# Altium PCB nPOC-BB_alpha_main-boardd.PcbDoc (part 2 of 3)
Units mm, origin at the board's own origin, x right, y up, seen from the top; angles counter-clockwise.
Board outline 65.15 x 78.1 mm, 4 copper layers (Top Layer, Layer 2, Layer 3, Bottom Layer), stack 1.527 mm thick; 195 components, 126 nets, 767 pads, 537 vias.
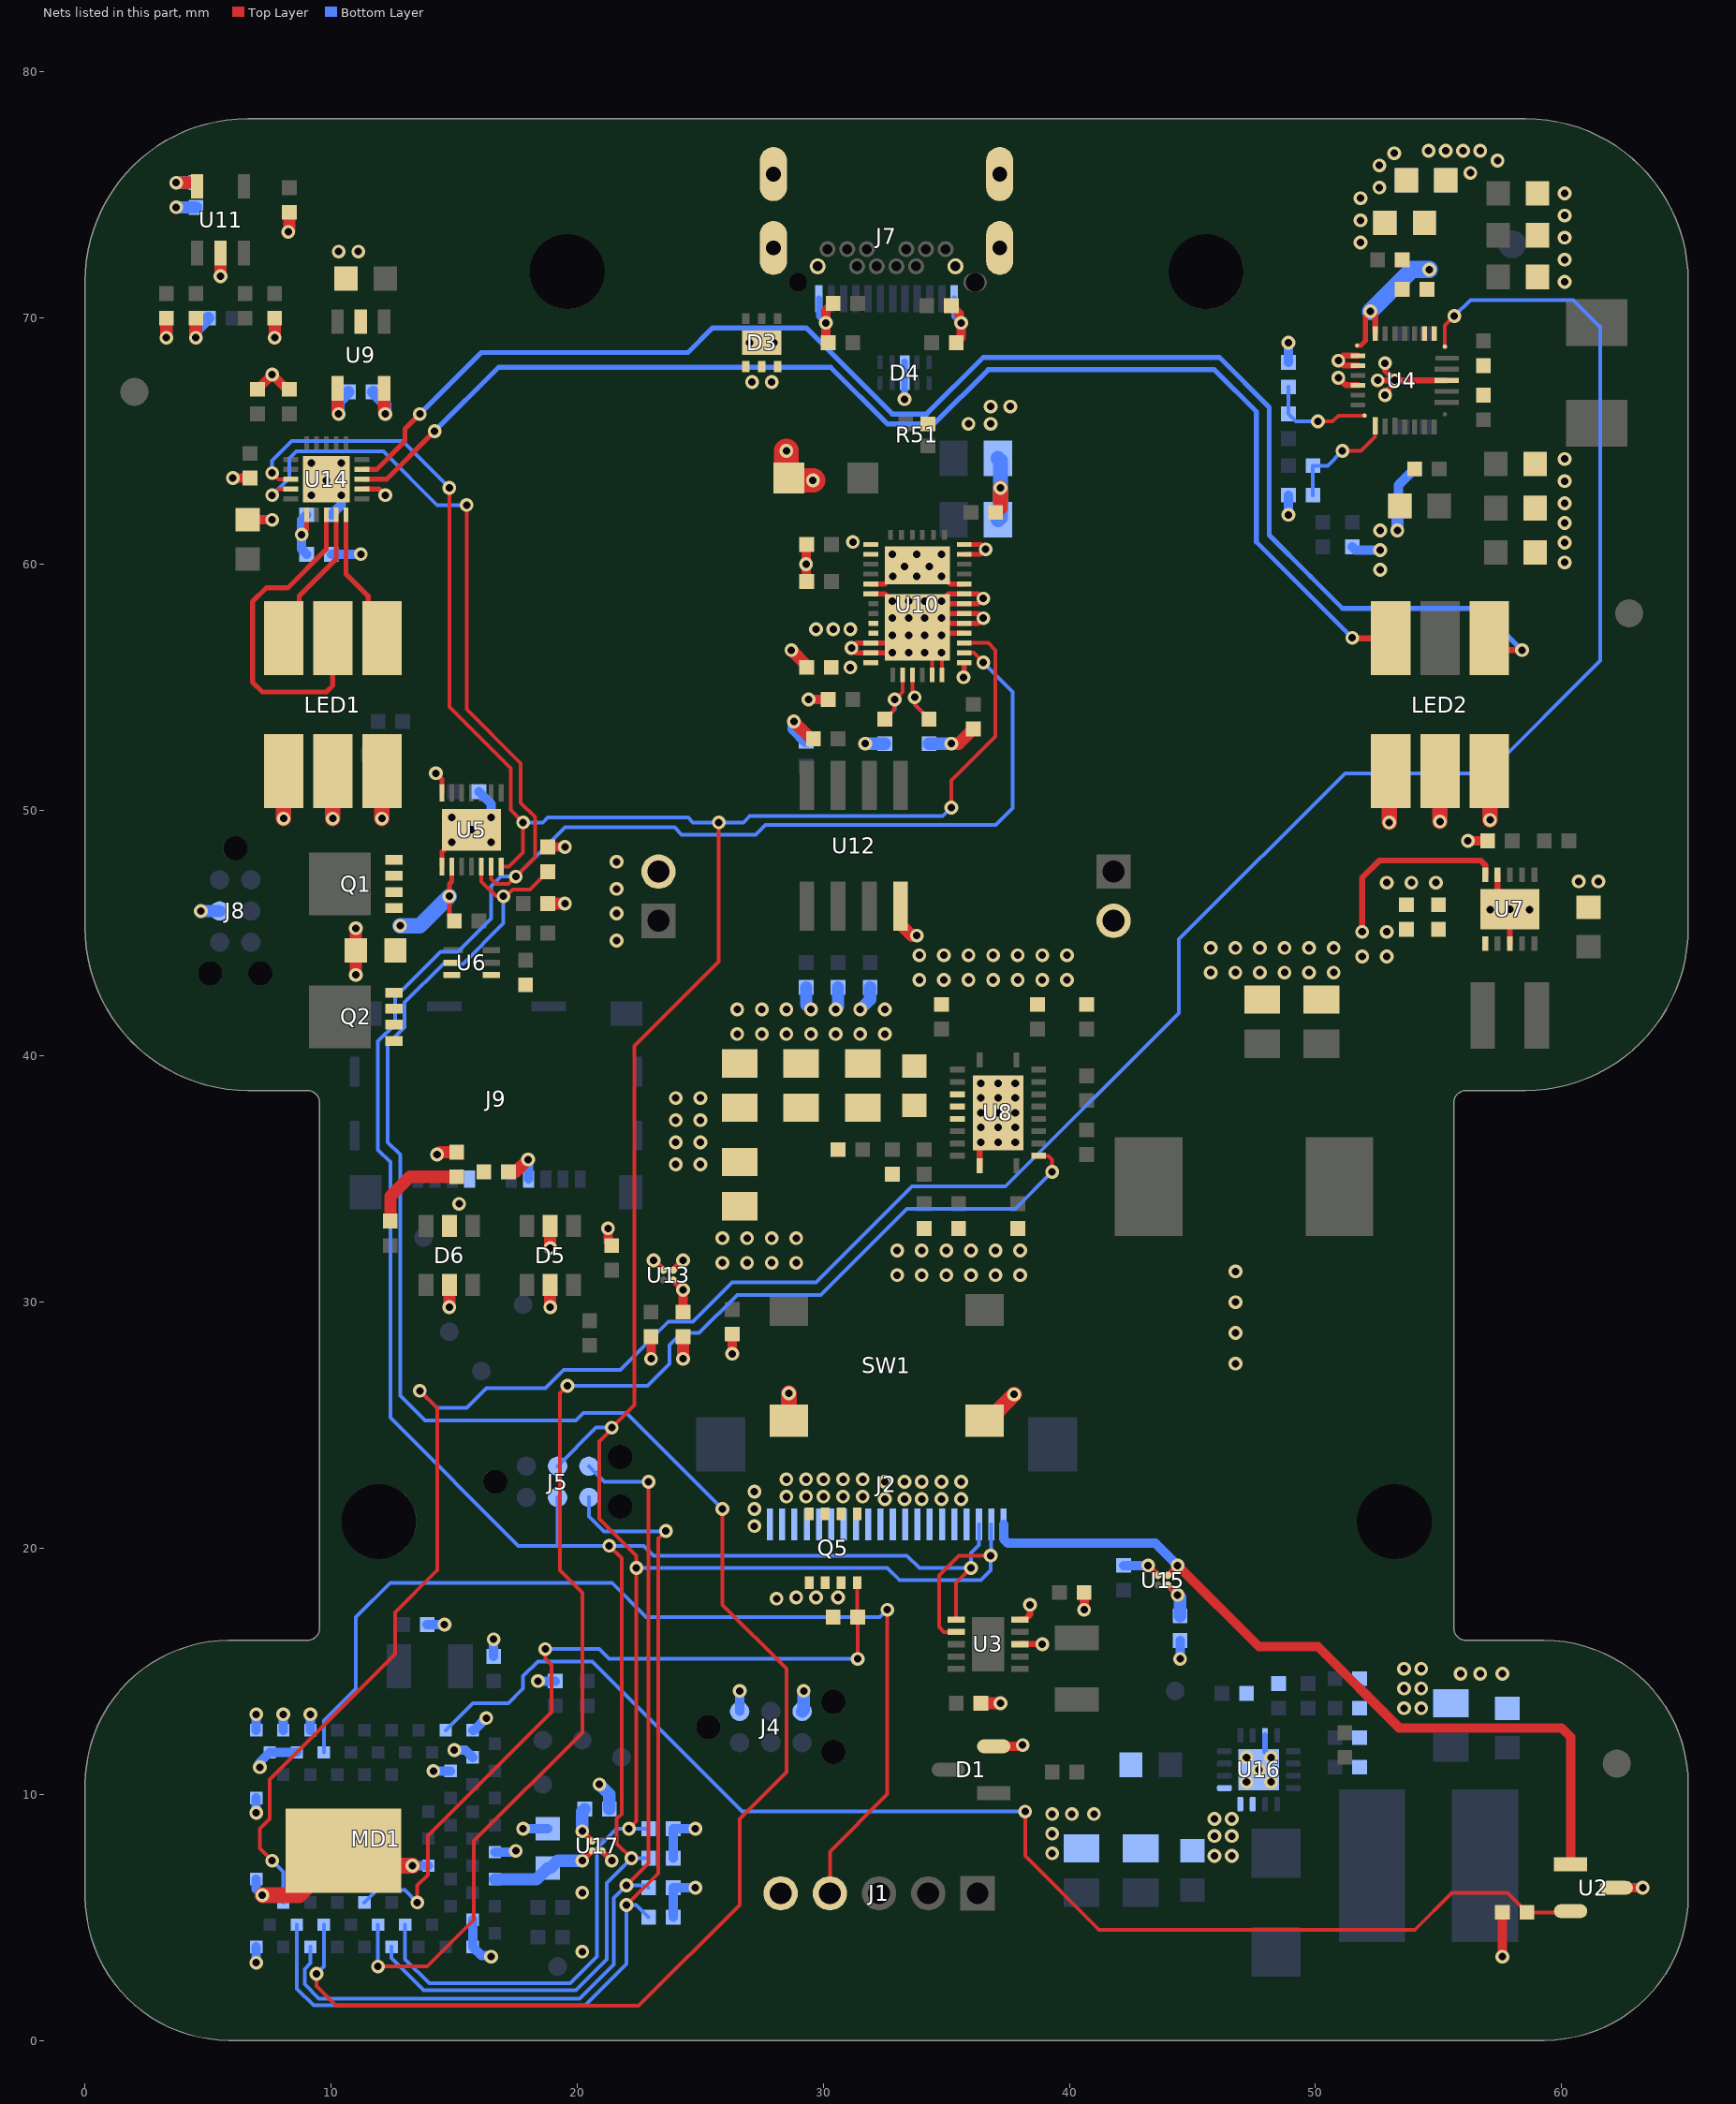
[diagram p4: the nets of this part, all layers, seen from the top]

## Part data (continued)
C64: library part CMP-00317-1, "CAP CER 1UF 16V X5R 0402", Case Code (Imperial)=0402, Case Code (Metric)=1005, Dielectric=X5R, Max Operating Temperature=85°C, Min Operating Temperature=-55°C, Package Quantity=1, Tolerance=10%, Voltage=16V, Capacitance=1uF, Case/Package=0402, Construction=Flat, Contact Plating=Tin, Depth=0.5mm, Height=0.5mm, Install=POP, Length=1mm, Mount="Surface Mount", Packaging="Tape and Reel", Radiation Hardening=No, RoHS Compliant=Yes, Series=CL, Thickness=0.022inch, Voltage Rating=16V, Width=0.02inch
C67: library part CMP-00018-1, "DNP CAP", Case Code (Imperial)=0603, Case Code (Metric)=1608, Dielectric=X7R, Manufacturer=Samsung, Manufacturer Part Number=CL10B104KB8NNWC, Max Operating Temperature=125°C, Min Operating Temperature=-55°C, Package Quantity=1, Supplier Part Number 1=1276-1935-1-ND, Tolerance=10%, Voltage Rating=50V, Case/Package=0603, Category="Ceramic Capacitors", ComponentLink1Description=https://datasheet.ciiva.com/6277/s0717e-6277799.pdf?src-supplier=Digi-Key, ComponentLink1URL=https://datasheet.ciiva.com/6277/s0717e-6277799.pdf?src-supplier=Digi-Key, ComponentLink2Description=https://datasheet.ciiva.com/6277/s0717e-6277800.pdf?src-supplier=Digi-Key, ComponentLink2URL=https://datasheet.ciiva.com/6277/s0717e-6277800.pdf?src-supplier=Digi-Key, ComponentLink3Description=https://datasheet.ciiva.com/6277/s0717e-6277801.pdf?src-supplier=Digi-Key, ComponentLink3URL=https://datasheet.ciiva.com/6277/s0717e-6277801.pdf?src-supplier=Digi-Key, ComponentLink4Description=https://datasheet.ciiva.com/25740/cl10b104kb8nnwc-25740227.pdf?src-supplier=Digi-Key, ComponentLink4URL=https://datasheet.ciiva.com/25740/cl10b104kb8nnwc-25740227.pdf?src-supplier=Digi-Key, Construction=Flat, Contact Plating=Tin, Install=DNP, Length=0.063inch, Mount="Surface Mount", Odic Footprint=C0603, Packaging="Cut Tape", Pricing 1="1=0.10000, 10=0.02000, 50=0.01100, 100=0.00910, 500=0.00646, 1000=0.00508 (USD)", RoHS=Yes, RoHS Compliant=Yes, Series=CL, Stock 1=1643, Supplier 1=Digi-Key, Termination=Wraparound, Thickness=0.035inch, Width=0.031inch
C70 C71: library part CMP-001-00030-1, "Multilayer Ceramic Capacitor, 4.7 uF, 35 V, ± 10%, X7S, 0805 [2012 Metric]", Case Code (Imperial)=0805, Case Code (Metric)=2012, Dielectric=X5R, Max Operating Temperature=85°C, Min Operating Temperature=-55°C, Package Quantity=1, Tolerance=10%, Voltage Rating=50V, Case/Package=0805, Depth=1.25mm, Install=POP, Length=2mm, Material=Ceramic, Mounting Technology="Surface Mount", Packaging="Tape and Reel", Radiation Hardening=No, RoHS Compliant=Yes, Series=CL, Thickness=0.055inch, Voltage Rating (DC)=50V, Width=0.049inch
C72: library part CMP-00293-3, "CAP CER 0.1UF 50V X7R 0603", Case Code (Imperial)=0603, Case Code (Metric)=1608, Dielectric=X7R, Max Operating Temperature=125°C, Min Operating Temperature=-55°C, Package Quantity=1, Tolerance=10%, Voltage Rating=50V, Capacitance=100nF, Case/Package=0603, Construction=Flat, Contact Plating=Tin, Install=POP, Length=0.063inch, Mount="Surface Mount", Packaging="Cut Tape", RoHS Compliant=Yes, Series=CL, Termination=Wraparound, Thickness=0.035inch, Width=0.031inch
C73: library part CMP-00296-2, "CAP CER 1UF 16V X5R 0603", Case Code (Imperial)=0603, Case Code (Metric)=1608, Dielectric=X5R, Max Operating Temperature=85°C, Min Operating Temperature=-55°C, Package Quantity=1, Tolerance=10%, Voltage=16V, Capacitance=1uF, Case/Package=0603, Construction=Flat, Contact Plating=Tin, Depth=0.8mm, Height=0.8mm, Install=POP, Lead Free="Lead Free", Length=1.6mm, Material=Ceramic, Mount="Surface Mount", Packaging="Tape and Reel", Radiation Hardening=No, RoHS Compliant=Yes, Series=CL, Thickness=0.035inch, Voltage Rating=16V, Voltage Rating (DC)=16V, Width=0.031inch
C74: library part CMP-00748-2, "Cap Cer 0.1UF 25V X7R 0805", Capacitance="0.1 uF", Maximum Voltage=25V, Tolerance=10%
C76: library part CMP-00937-1, "Cap Ceramic 300pF 50V C0G 5% SMD 0402 125°C Paper T/R", Case Code (Imperial)=0402, Case Code (Metric)=1005, Dielectric Material=Ceramic, Max Operating Temperature=125°C, Min Operating Temperature=-55°C, Tolerance=5%, Voltage Rating=50V, Case/Package=0402, Lead Free="Lead Free", Material=Ceramic, Packaging="Cut Tape", Pins=2, RoHS Compliant=Yes, Series="SMD Comm C0G", Voltage Rating (DC)=50V
C77: library part CMP-001-00029-1, "0402 12 nF 16 V ±10% Tolerance X7R SMT Multilayer Ceramic Capacitor", Case Code (Imperial)=0402, Case Code (Metric)=1005, Dielectric=X7R, Max Operating Temperature=125°C, Min Operating Temperature=-55°C, Package Quantity=1, Tolerance=10%, Voltage=16V, Case/Package=0402, Construction=Flat, Depth=0.5mm, Height=0.5mm, Install=POP, Lead Free="Lead Free", Length=1mm, Material=Ceramic, Mounting Technology="Surface Mount", Packaging="Tape and Reel", Pins=2, Radiation Hardening=No, RoHS Compliant=Yes, Series=GRM, Termination=SMD/SMT, Thickness=0.022inch, Voltage Rating=16V, Voltage Rating (DC)=16V, Width=0.5mm
D1: library part CMP-00811-2, "Diode array, 1 pair. Common cathode. Small Signal Schottky 30V 0.2A 5ns Automotive 3-Pin SOT-23 T/R", Case/Package=SOT-23-3, Diode capacitance=10pF, Forward Current=200mA, Max Operating Temperature=150°C, Min Operating Temperature=-55°C, Peak Forward Current=300mA, Reverse Voltage=30V, Install=POP, Lead Free="Lead Free", Packaging="Tape and Reel", Pins=3, RoHS Compliant=Yes
D2: library part CMP-00259-3, "Diode Schottky 20V 1A 2-Pin SOD-123FL T/R", Max Operating Temperature=125°C, Max Repetitive Reverse Voltage (Vrrm)=20V, Max Reverse Current=500uA, Min Operating Temperature=-55°C, Peak Non-Repetitive Surge Current=40A, Element Configuration=Single, Install=POP, Mount="Surface Mount", Number of Pins=2, Radiation Hardening=No, RoHS Compliant=Yes
D3: library part CMP-00678-2, "22-V flat-clamp surge protection device 6-WSON -40 to 125", Clamping Voltage=28V, Max Operating Temperature=125°C, Min Operating Temperature=-40°C, Install=POP, Mounting Technology="Surface Mount", Number of Channels=1, Number of Circuits=1, Packaging="Cut Tape", RoHS Compliant=Yes, Series=-
D4: library part CMP-00677-2, "Quad 0.25-pF, ±3.6-V, ±12-kV ESD protection diode for USB 3.0, HDMI 2.0 & High Speed Signals", Max Operating Temperature=125°C, Min Breakdown Voltage=5.5V, Min Operating Temperature=-40°C, Operating Supply Voltage=3.6V, Peak Pulse Current=5A, Peak Pulse Power=17W, Power Line Protection=No, Diode Type=ZENER, Install=POP, Interface=USB,HDMI, Lead Free="Lead Free", Mounting Technology="Surface Mount", Number of Bidirectional Channels=4, Number of Channels=4, Packaging="Cut Tape", Pins=10, Reach SVHC Compliant=No, Reverse Standoff Voltage=3.6V, RoHS Compliant=Yes, Series=-
D5 D6: library part CMP-00550-6, "IC USB DUAL ESD PROTEC 6TSOP", RoHS Compliant=Yes
D7: library part CMP-004-00003-5, "Diode Schottky 40V 2A 2-Pin DO-214AC T/R", Average Rectified Current=2A, Case/Package=SMA, Max Reverse Voltage (DC)=40V, Install=POP, Mount="Surface Mount", Packaging="Tape and Reel", RoHS Compliant=Yes
J1: library part CMP-00704-3, "Connector Header, PH Series, 5 Position, 2.00mm, Through Hole, Press-Fit, Solder, Natural", Contact Resistance=20mR, Current Rating=2A, Flammability Rating="UL94 V-0", Housing Color=White, Insulation Color=Natural, Insulation Resistance=1MR, Max Operating Temperature=85°C, Max Voltage Rating (AC)=100V, Min Operating Temperature=-25°C, Connector Type=Header, Contact Finish - Mating=TIN, Contact Material=Brass,Tin, Contact Plating=Tin,Copper, Contact Shape=Square, Contact Type="Male Pin", Depth=4.5mm, Fastening Type=Detent, Height=9.4mm, Housing Material=Polyamide, Install=POP, Insulation Material=Nylon, Lead Free="Lead Free", Lead Pitch=2mm, Length=11.9mm, Mated Stacking Heights=8mm, Max Current Rating=2A, Mounting Technology="Through Hole", Number of Contacts=5, Number of Poles=5, Number of Positions=5, Number of Rows=1, Orientation=Straight, Packaging=Bulk, Pins=5, Pitch=2mm, Reach SVHC Compliant=No, Series=PH, Termination=Solder, Voltage Rating=100V, Voltage Rating (AC)=100V, Width=4.5mm, Working Voltage=100V
J2: library part CMP-00932-3, "Connectors for Connecting - 0.5/1-mm Pitch FPC/FFC - FH12 Series (HIROSE ELECTRIC)", Actuator Color=Brown, Color=Beige,Brown, Contact Resistance=50mR, Current Rating=500mA, Flammability Rating="UL94 V-0", Housing Color=Beige, Insulation Resistance=500MR, Max Current Rating=400mA, Max Operating Temperature=70°C, Max Voltage Rating (AC)=50V, Min Operating Temperature=-40°C, Package Quantity=2000, Actuator Material=Polyphenylene, Contact Location=Top, Contact Material=Bronze, Contact Plating=Gold, Depth=6.2mm, Gender=Female, Housing Material=Polyamide, Install=POP, Lead Free="Lead Free", Lead Pitch=0.5mm, Length=14.5mm, Material=Polyamide, Mating Cycles=20, Mounting Technology="Surface Mount", Number of Contacts=20, Number of Positions=20, Number of Rows=1, Orientation="Right Angle", Packaging="Tape and Reel", Pitch=0.5mm, Radiation Hardening=No, Reach SVHC Compliant=No, RoHS Compliant=Yes, Series=FH12, Termination=Solder, Voltage Rating=50V, Voltage Rating (AC)=50V, Width=14.1mm, Wire/Cable Type=Straight
J3 J6: library part CMP-00685-3, "Connector Header, PH Series, 2 Position, 2.00mm, Through Hole, Press-Fit, Solder, Natural", Color=Natural, Contact Resistance=20mR, Current Rating=2A, Flammability Rating="UL94 V-0", Housing Color=White, Insulation Resistance=1MR, Max Operating Temperature=85°C, Max Voltage Rating (AC)=100V, Min Operating Temperature=-25°C, Connector Type=Header, Contact Finish - Mating=TIN, Contact Material=Brass, Contact Mating Length=0.13inch, Contact Plating=Tin,Copper, Contact Post Length=0.134inch, Contact Shape=Square, Contact Type="Male Pin", Depth=4.5mm, Fastening Type=Detent, Gender=Male, Height=9.4mm, Housing Material=Polyamide, Insulation Color=Natural, Insulation Height=0.236inch, Insulation Material=Nylon, Lead Free="Lead Free", Lead Pitch=2mm, Length=5.9mm, Mated Stacking Heights=8mm, Max Current Rating=2A, Max Voltage Rating (DC)=100V, Mounting Technology="Through Hole", Number of Contacts=2, Number of Poles=2, Number of Positions=2, Number of Rows=1, Orientation=Straight, Packaging=Bulk, Pins=2, Pitch=2mm, Reach SVHC Compliant=Yes, Series=PH, Termination=Press-Fit, Voltage Rating=100V, Voltage Rating (AC)=100V, Width=4.5mm, Working Voltage=100V
J4 J5 J8: library part CMP-00144-9, "6 Pin Tag-Connect Header Footprint. Pads.", Install=DNP
J7: library part CMP-00680-3, "USB C Connector, 24 Contact(s), Female, Right Angle, Solder and Surface Mount Terminal, Locking, Receptacle", Insulation Color=Black, Max Operating Temperature=80°C, Min Operating Temperature=-30°C, Voltage Rating=20V, Connector Type=USB, Contact Plating=Gold, Gender=Receptacle, Install=POP, Mating Cycles=10000, Mounting Technology="Surface Mount,Through Hole,Horizontal", Number of Contacts=24, Number of Ports=1, Packaging="Cut Tape", RoHS Compliant=Yes, Series=DX07, Shielding=Shielded, Termination=Solder
J9: library part CMP-00549-5, "9 (8 + 1) Position Secure Digital microSD SMT Right Angle Card Connector", Install=POP
L1: library part CMP-00675-2, "FIXED IND 2.2UH 5.8A 29 MOHM", Case/Package=Nonstandard, Current Rating=5.8A, DC Resistance (DCR)=29mR, Max Operating Temperature=125°C, Min Operating Temperature=-55°C, Saturation Current=9A, Test Frequency=100kHz, Tolerance=20%, Core Material=Metal, Height - Seated (Max)=0.118inch, Install=POP, Length=0.205inch, Mounting Technology="Surface Mount", Packaging="Tape and Reel", RoHS Compliant=Yes, Series=0530CDMC/DS, Shielding=Shielded, Width=0.205inch
L2: library part CMP-006-00004-2, "Ind Power Semi-Shielded Wirewound 2.2uH 20% 1MHz Ferrite 1.8A 1212 T/R", Case/Package=1212, Current Rating=1.8A, DC Resistance (DCR)=72mR, Frequency=90MHz, Inductance Tolerance=20%, Max Operating Temperature=125°C, Min Operating Temperature=-40°C, Package Quantity=2000, Saturation Current=1.65A, Test Frequency=1MHz, Core Material=Ferrite, DC Current=1.8A, Depth=3.1mm, Height=1.5mm, Height - Seated (Max)=0.059inch, Install=POP, Length=3mm, Material=Steel, Max DC Current=1.8A, Military Standard=Not, Packaging="Tape and Reel", Pins=2, Radiation Hardening=No, Reach SVHC Compliant=No, RMS Current (Irms)=1.8A, Sample Rate (Hz)=1MHz, Self Resonant Frequency=90MHz, Series=SRN3015, Shielding=Shielded, Termination=SMD/SMT, Tolerance=20%, Weight=0.001235oz, Width=3mm
L3: library part CMP-00929-2, "Inductor Power Shielded Wirewound 1.2uH 20% 1MHz 12.9A 0.007Ohm DCR T/R", Case/Package=Nonstandard, DC Resistance (DCR)=7mR, Max DC Current=12.9A, Max Operating Temperature=125°C, Min Operating Temperature=-40°C, Package Quantity=1000, Saturation Current=12.2A, Test Frequency=1MHz, Tolerance=20%, Core Material=Metal,Composite, Depth=8.7mm, Height=3mm, Install=POP, Length=9.5mm, Mounting Technology="Surface Mount", Packaging="Tape and Reel", Radiation Hardening=No, RoHS Compliant=Yes, Series=CDMC8D28, Shielding=Shielded, Termination=SMD/SMT, Width=8.7mm
L4: library part CMP-00936-2, "WE-LQSA SMT Semi-Shielded Power Inductor 1.5uH 6.1 A 13mOhm Max", Install=POP
LED1 LED2: library part CMP-00100-4, "Blue/Red/Green 100º 400/800/1000 mcd Clear Surface Mount LED Lamp", Case/Package=SMD/SMT, Color=Blue,Green,Red, Forward Current=20mA, Forward Voltage=3.3V, Lens Color=Clear, Max Operating Temperature=85°C, Min Operating Temperature=-40°C, Package Quantity=500, Test Current=30mA, Dominant Wavelength=465nm, Height=2.3mm, Illumination Color=Blue,Green,Red, Install=POP, Lead Free="Lead Free", Length=5mm, Lens Style=Clear, Luminous Intensity=400mcd, Mount="Surface Mount", Packaging="Cut Tape", RoHS Compliant=Yes, Viewing Angle=100°, Width=6mm
MD1: library part CMP-002-000005-3, "BMD-340 Series 3.6 V 2.5 GHz -96 dBm Stand-Alone Bluetooth 5 Low Energy Module", Case/Package=Module, Current - Receiving=11.7mA, Current - Transmitting=26.7mA, Frequency=2.5GHz, Max Operating Temperature=85°C, Min Operating Temperature=-40°C, Package=None, Data Rate=2Mbps, Design Item ID=BMD-330-A-R, Install=POP, Interface=I2C,SPI,UART, Memory Size=256KB, Mounting Technology="Surface Mount", MP=BMD-330-A-R, Packaging="Tape and Reel", Price=None, RoHS Compliant=Yes, Sensitivity=-103dBm, Series=BMD-34, Source=BMD-330-A-R.SchLib
Q1 Q2: library part CMP-00688-3, "30-V, N channel NexFET™ power MOSFET, single SON 3 mm x 3 mm, 6.4 mOhm 8-VSONP -55 to 150", Case/Package=VSON, Continuous Drain Current (ID)=19A, Drain to Source Breakdown Voltage=30V, Drain to Source Resistance=5.3mR, Gate to Source Voltage (Vgs)=20V, Input Capacitance=2.31nF, Max Operating Temperature=150°C, Max Power Dissipation=53W, Min Operating Temperature=-55°C, Package Quantity=250, Power Dissipation=2.8W, Threshold Voltage=1.4V, Contact Plating=Tin, Drain to Source Voltage (Vdss)=30V, Element Configuration=Single, Fall Time=4ns, Install=POP, Lead Free="Lead Free", Mounting Technology="Surface Mount", Number of Channels=1, Number of Elements=1, Packaging="Tape and Reel", Pins=8, Polarity=N-CHANNEL, Rds On Max=4.8mR, Reach SVHC Compliant=No, Rise Time=31ns, RoHS Compliant=Yes, Series=NexFET™, Turn-Off Delay Time=20ns, Turn-On Delay Time=4ns
Q5: library part CMP-00921-2, "Trans Mosfet N-ch 30V 28A 8-PIN Dfn-a Ep", Case/Package=DFN, Continuous Drain Current (ID)=28A, Drain to Source Voltage (Vdss)=30V, Input Capacitance=2.25nF, Max Operating Temperature=150°C, Max Power Dissipation=32W, Min Operating Temperature=-55°C, Install=POP, Mounting Technology="Surface Mount", Packaging="Cut Tape", Rds On Max=3.3mR, RoHS Compliant=Yes, Series=AlphaMOS
R1: library part CMP-00319-1, "RES 0 OHM JUMPER 1/16W 0402", Case Code (Imperial)=0402, Case Code (Metric)=1005, Current Rating=1A, Max Operating Temperature=155°C, Max Power Dissipation=63mW, Min Operating Temperature=-55°C, Resistor Type="Thick Film", Working Voltage=50V, Case/Package=0402, Construction=Rectangular, Contact Plating=Tin,Matte, Depth=0.5mm, Features="Automotive AEC-Q200", Height=0.016inch, Install=POP, Lead Free="Lead Free", Length=0.039inch, Military Standard=Not, Mount="Surface Mount", Number of Terminations=2, Packaging="Tape and Reel", Power Rating=63mW, Radiation Hardening=No, Resistance=0R, RoHS Compliant=Yes, Series=RMCF, Technology="THICK FILM", Width=0.02inch
R2: library part CMP-00381-1, "Res General Purpose Thick Film 0402 4.99K Ohm 1% 1/16W ±100ppm/°C Molded SMD Paper T/R", Case Code (Imperial)=0402, Case Code (Metric)=1005, Max Operating Temperature=155°C, Max Power Dissipation=63mW, Min Operating Temperature=-55°C, Package Quantity=1, Power Rating=62.5mW, Resistance=4.99kR, Resistance Tolerance=1%, Resistor Type="Thick Film", Temperature Coefficient=100ppm/°C, Voltage Rating=50V, Case/Package=0402, Construction=Rectangular, Depth=0.5mm, Features="Moisture Resistant", Height=0.016inch, Install=POP, Lead Free="Lead Free", Length=1mm, Military Standard=Not, Number of Terminations=2, Packaging="Tape and Reel", Reach SVHC Compliant=Yes, RoHS Compliant=Yes, Series=RC, Size Code=0402, Termination=SMD/SMT, Tolerance=1%, Voltage Rating (DC)=50V, Width=0.02inch
R3 R17 R19 R20 R29 R57 R58: library part CMP-00351-1, "Res General Purpose Thick Film 0402 100K Ohm 1% 1/16W ±100ppm/°C Molded SMD Paper T/R", Case Code (Imperial)=0402, Case Code (Metric)=1005, Max Operating Temperature=155°C, Max Power Dissipation=63mW, Min Operating Temperature=-55°C, Package Quantity=1, Resistance=100kR, Resistance Tolerance=1%, Resistor Type="Thick Film", Temperature Coefficient=100ppm/°C, Voltage Rating=50V, Case/Package=0402, Construction=Rectangular, Depth=0.5mm, Features="Moisture Resistant", Height=0.016inch, Install=POP, Lead Free="Lead Free", Length=0.039inch, Military Standard=Not, Number of Terminations=2, Packaging="Tape and Reel", Power Rating=63mW, REACH SVHC="No SVHC", RoHS Compliant=Yes, Series=RC, Technology="THICK FILM", Termination=SMD/SMT, Tolerance=1%, Width=0.02inch, Working Voltage=50V
R4 R5 R6 R7 R8 R12 R13 R22 R23 R33 R35 R36: library part CMP-00336-2, "RES 4.7K OHM 1% 1/16W 0402", Case Code (Imperial)=0402, Case Code (Metric)=1005, Max Operating Temperature=155°C, Max Power Dissipation=63mW, Min Operating Temperature=-55°C, Power Rating=62.5mW, Resistance=4.7kR, Resistance Tolerance=1%, Resistor Type="Thick Film", Temperature Coefficient=100ppm/°C, Voltage Rating=50V, Case/Package=0402, Construction=Rectangular, Depth=0.5mm, Features="Moisture Resistant", Height=0.32mm, Height - Seated (Max)=0.016inch, Install=POP, Lead Free="Lead Free", Length=1mm, Military Standard=Not, Number of Pins=2, Number of Terminations=2, Packaging="Tape and Reel", REACH SVHC="No SVHC", RoHS Compliant=Yes, Series=RC, Size Code=0402, Termination=SMD/SMT, Tolerance=1%, Voltage Rating (DC)=50V, Width=0.5mm
R9 R10: library part CMP-009-00036-1, "SMD Chip Resistor, 27 Ohm, ± 1%, 100 mW, 0402 [1005 Metric], Thick Film, Precision", Case Code (Imperial)=0402, Case Code (Metric)=1005, Max Operating Temperature=155°C, Max Power Dissipation=100mW, Min Operating Temperature=-55°C, Package Quantity=1, Resistance Tolerance=1%, Resistor Type="Thick Film", Temperature Coefficient=100ppm/°C, Voltage Rating=50V, Case/Package=0402, Contact Plating=Tin, Depth=0.5mm, Features="Automotive AEC-Q200", Height=0.35mm, Install=POP, Lead Free="Lead Free", Length=1mm, Mounting Technology="Surface Mount", Number of Terminations=2, Packaging="Tape and Reel", Pins=2, Power Rating=100mW, Reach SVHC Compliant=No, RoHS Compliant=Yes, Series=ERJ, Technology="THICK FILM", Termination=SMD/SMT, Tolerance=1%, Voltage Rating (DC)=50V, Weight=2.8E-05oz, Width=0.5mm
R11 R18: library part CMP-00405-3, "Res Thick Film 0402 2.2K Ohm 5% 1/10W +/-200ppm/ßC Molded SMD Punched Carrier T/R", Case Code (Imperial)=0402, Case Code (Metric)=1005, Max Operating Temperature=155°C, Max Power Dissipation=100mW, Min Operating Temperature=-55°C, Package Quantity=10000, Ratings=AEC-Q200, Resistance=2.2kR, Resistance Tolerance=5%, Resistor Type="Thick Film", Temperature Coefficient=200ppm/°C, Voltage Rating=50V, Case/Package=0402, Construction=Rectangular, Contact Plating=Tin, Depth=0.5mm, Features="Automotive AEC-Q200", Height=0.35mm, Install=POP, Lead Free="Lead Free", Length=1mm, Military Standard=Not, Mount="Surface Mount", Number of Terminations=2, Packaging="Tape and Reel", Power Rating=100mW, Radiation Hardening=No, Reach SVHC Compliant=Yes, RoHS Compliant=Yes, Series=ERJ, Size Code=0402, Technology="THICK FILM", Termination=SMD/SMT, Tolerance=5%, Voltage Rating (DC)=50V, Weight=2.8E-05oz, Width=0.5mm
R14 R24: library part CMP-009-00016-1, "Res General Purpose Thick Film 0402 100 Ohm 1% 1/16W ±200ppm/°C Molded SMD Paper T/R", Case Code (Imperial)=0402, Case Code (Metric)=1005, Max Operating Temperature=155°C, Max Power Dissipation=63mW, Min Operating Temperature=-55°C, Power Rating=62.5mW, Resistance Tolerance=1%, Resistor Type="Thick Film", Temperature Coefficient=100ppm/°C, Voltage Rating=50V, Case/Package=0402, Construction=Rectangular, Depth=0.5mm, Features="Moisture Resistant", Height=0.32mm, Install=POP, Lead Free="Lead Free", Length=1mm, Military Standard=Not, Number of Terminations=2, Packaging="Tape and Reel", Pins=2, Reach SVHC Compliant=No, RoHS Compliant=Yes, Series=RC, Technology="THICK FILM", Termination=SMD/SMT, Tolerance=1%, Voltage Rating (DC)=50V, Width=0.5mm
R15: library part CMP-00687-2, "SMD Chip Resistor, 330 Ohm, ± 1%, 63 mW, 0402 [1005 Metric], Thick Film, General Purpose", Case Code (Imperial)=0402, Case Code (Metric)=1005, Max Operating Temperature=155°C, Max Power Dissipation=63mW, Min Operating Temperature=-55°C, Package Quantity=1, Power Rating=62.5mW, Resistance Tolerance=1%, Resistor Type="Thick Film", Temperature Coefficient=100ppm/°C, Voltage Rating=50V, Case/Package=0402, Construction=Rectangular, Depth=0.5mm, Features="Moisture Resistant", Height=0.016inch, Install=POP, Lead Free="Lead Free", Length=0.039inch, Military Standard=Not, Number of Terminations=2, Packaging="Tape and Reel", Reach SVHC Compliant=No, RoHS Compliant=Yes, Series=RC, Technology="THICK FILM", Termination=SMD/SMT, Tolerance=1%, Width=0.02inch
R16: library part CMP-00681-2, "SMD Chip Resistor, 127 kOhm, ± 1%, 63 mW, 0402 [1005 Metric], Thick Film, General Purpose", Case Code (Imperial)=0402, Case Code (Metric)=1005, Max Operating Temperature=155°C, Max Power Dissipation=63mW, Min Operating Temperature=-55°C, Package Quantity=1, Power Rating=62.5mW, Temperature Coefficient=100ppm/°C, Tolerance=1%, Voltage Rating=50V, Case/Package=0402, Contact Plating=Tin,Matte, Features="Moisture Resistant", Height=0.016inch, Install=POP, Lead Free="Lead Free", Length=0.039inch, Number of Terminations=2, Packaging="Tape and Reel", RoHS Compliant=Yes, Series=RC, Termination=SMD/SMT, Voltage Rating (DC)=50V, Width=0.02inch
R21: library part CMP-00815-1, "SMD Chip Resistor, 10 Milliohm, ± 1%, 250 mW, 0603 [1608 Metric], Thick Film, High Power", Case Code (Imperial)=0603, Case Code (Metric)=1608, Max Operating Temperature=125°C, Max Power Dissipation=250mW, Min Operating Temperature=-55°C, Package Quantity=5000, Ratings=AEC-Q200, Temperature Coefficient=300ppm/°C, Tolerance=1%, Case/Package=0603, Features="Automotive AEC-Q200", Height=0.026inch, Install=POP, Lead Free="Lead Free", Length=0.063inch, Number of Terminations=2, Packaging="Tape and Reel", RoHS Compliant=Yes, Series=ERJ, Width=0.031inch
R25: library part CMP-009-00041-1, "Res Thick Film 0402 357K Ohm 1% 0.1W ±100ppm/°C Molded SMD Punched Carrier T/R", Case Code (Imperial)=0402, Case Code (Metric)=1005, Max Operating Temperature=155°C, Max Power Dissipation=100mW, Min Operating Temperature=-55°C, Package Quantity=10000, Ratings=AEC-Q200, Resistance Tolerance=1%, Resistor Type="Thick Film", Temperature Coefficient=100ppm/°C, Voltage Rating=50V, Case/Package=0402, Construction=Rectangular, Contact Plating=Tin, Depth=0.5mm, Features="Automotive AEC-Q200", Height=0.35mm, Install=POP, Lead Free="Contains Lead", Length=1mm, Military Standard=Not, Mounting Technology="Surface Mount", Number of Terminations=2, Packaging="Tape and Reel", Power Rating=100mW, Reach SVHC Compliant=No, RoHS Compliant=Yes, Series=ERJ, Technology="THICK FILM", Termination=SMD/SMT, Tolerance=1%, Voltage Rating (DC)=50V, Width=0.5mm
R26: library part CMP-009-00038-1, "SMD Chip Resistor, 255 kOhm, ± 1%, 100 mW, 0402 [1005 Metric], Thick Film, Precision", Case Code (Imperial)=0402, Case Code (Metric)=1005, Max Operating Temperature=155°C, Max Power Dissipation=100mW, Min Operating Temperature=-55°C, Package Quantity=10000, Ratings=AEC-Q200, Resistance Tolerance=1%, Resistor Type="Thick Film", Temperature Coefficient=100ppm/°C, Voltage Rating=50V, Case/Package=0402, Construction=Rectangular, Contact Plating=Tin, Depth=0.5mm, Features="Automotive AEC-Q200", Height=0.35mm, Install=POP, Lead Free="Lead Free", Length=1mm, Military Standard=Not, Mounting Technology="Surface Mount", Number of Terminations=2, Packaging="Tape and Reel", Power Rating=100mW, Reach SVHC Compliant=No, RoHS Compliant=Yes, Series=ERJ, Technology="THICK FILM", Termination=SMD/SMT, Tolerance=1%, Voltage Rating (DC)=50V, Width=0.5mm
R27: library part CMP-009-00040-1, "SMD Chip Resistor, 115 kOhm, ± 1%, 100 mW, 0402 [1005 Metric], Thick Film, Precision", Case Code (Imperial)=0402, Case Code (Metric)=1005, Max Operating Temperature=155°C, Max Power Dissipation=100mW, Min Operating Temperature=-55°C, Package Quantity=10000, Ratings=AEC-Q200, Resistance Tolerance=1%, Resistor Type="Thick Film", Temperature Coefficient=100ppm/°C, Voltage Rating=50V, Case/Package=0402, Construction=Rectangular, Contact Plating=Tin, Depth=0.5mm, Features="Automotive AEC-Q200", Height=0.35mm, Install=POP, Lead Free="Lead Free", Length=1mm, Military Standard=Not, Mounting Technology="Surface Mount", Number of Terminations=2, Packaging="Tape and Reel", Power Rating=100mW, Reach SVHC Compliant=No, RoHS Compliant=Yes, Series=ERJ, Technology="THICK FILM", Termination=SMD/SMT, Tolerance=1%, Voltage Rating (DC)=50V, Weight=2.8E-05oz, Width=0.5mm
R28: library part CMP-009-00039-1, "Res Thick Film 0402 17.4K Ohm 1% 1/10W ±100ppm/°C Molded SMD Punched Carrier T/R", Case Code (Imperial)=0402, Case Code (Metric)=1005, Max Operating Temperature=155°C, Max Power Dissipation=100mW, Min Operating Temperature=-55°C, Package Quantity=10000, Ratings=AEC-Q200, Resistance Tolerance=1%, Resistor Type="Thick Film", Temperature Coefficient=100ppm/°C, Voltage Rating=50V, Case/Package=0402, Contact Plating=Tin, Depth=0.5mm, Features="Automotive AEC-Q200", Height=0.35mm, Install=POP, Lead Free="Lead Free", Length=1mm, Mounting Technology="Surface Mount", Number of Terminations=2, Packaging="Tape and Reel", Power Rating=100mW, Radiation Hardening=No, Reach SVHC Compliant=Yes, RoHS Compliant=Yes, Series=ERJ, Technology="THICK FILM", Termination=SMD/SMT, Tolerance=1%, Voltage Rating (DC)=50V, Width=0.5mm
R30 R55: library part CMP-00015-3, "Unpopulated 0402 pads. No part number associated with this \"component\"", Install=DNP, Odic Footprint=R0402
R31: library part CMP-00457-1, "Res General Purpose Thick Film 0402 30k Ohm 1% 1/16W ±100ppm/°C Molded Paper T/R", Case Code (Imperial)=0402, Case Code (Metric)=1005, Max Operating Temperature=155°C, Max Power Dissipation=63mW, Min Operating Temperature=-55°C, Resistance Tolerance=1%, Resistor Type="Thick Film", Temperature Coefficient=100ppm/°C, Voltage Rating=50V, Case/Package=0402, Construction=Rectangular, Depth=0.5mm, Features="Moisture Resistant", Height=0.35mm, Install=POP, Lead Free="Lead Free", Length=1mm, Military Standard=Not, Number of Terminations=2, Packaging="Tape and Reel", Power Rating=63mW, RoHS Compliant=Yes, Series=RC, Termination=SMD/SMT, Tolerance=1%, Voltage Rating (DC)=50V, Weight=2.3E-05oz, Width=0.5mm
R32: library part CMP-009-00044-1, "Resistor, Metal Glaze/Thick Film, 0.1 W, 1 %, 100 Ppm, 46400 Ohm, Surface Mount, 0402", Case Code (Imperial)=0402, Case Code (Metric)=1005, Max Operating Temperature=155°C, Max Power Dissipation=100mW, Min Operating Temperature=-55°C, Package Quantity=10000, Ratings=AEC-Q200, Resistance Tolerance=1%, Resistor Type="Thick Film", Temperature Coefficient=100ppm/°C, Voltage Rating=50V, Case/Package=0402, Contact Plating=Tin, Depth=0.5mm, Features="Automotive AEC-Q200", Height=0.35mm, Install=POP, Lead Free="Lead Free", Length=1mm, Mounting Technology="Surface Mount", Number of Terminations=2, Packaging="Tape and Reel", Power Rating=100mW, Radiation Hardening=No, Reach SVHC Compliant=No, RoHS Compliant=Yes, Series=ERJ, Technology="THICK FILM", Termination=SMD/SMT, Tolerance=1%, Voltage Rating (DC)=50V, Width=0.5mm